# Altium PCB ascii of BOC1_06.PcbDoc (part 2 of 4)
Units mil, origin at the board's own origin, x right, y up, seen from the top; angles counter-clockwise.
Board outline 7900 x 6500 mil, 2 copper layers (Top Layer, Bottom Layer); 312 components, 413 nets, 1710 pads, 368 vias.
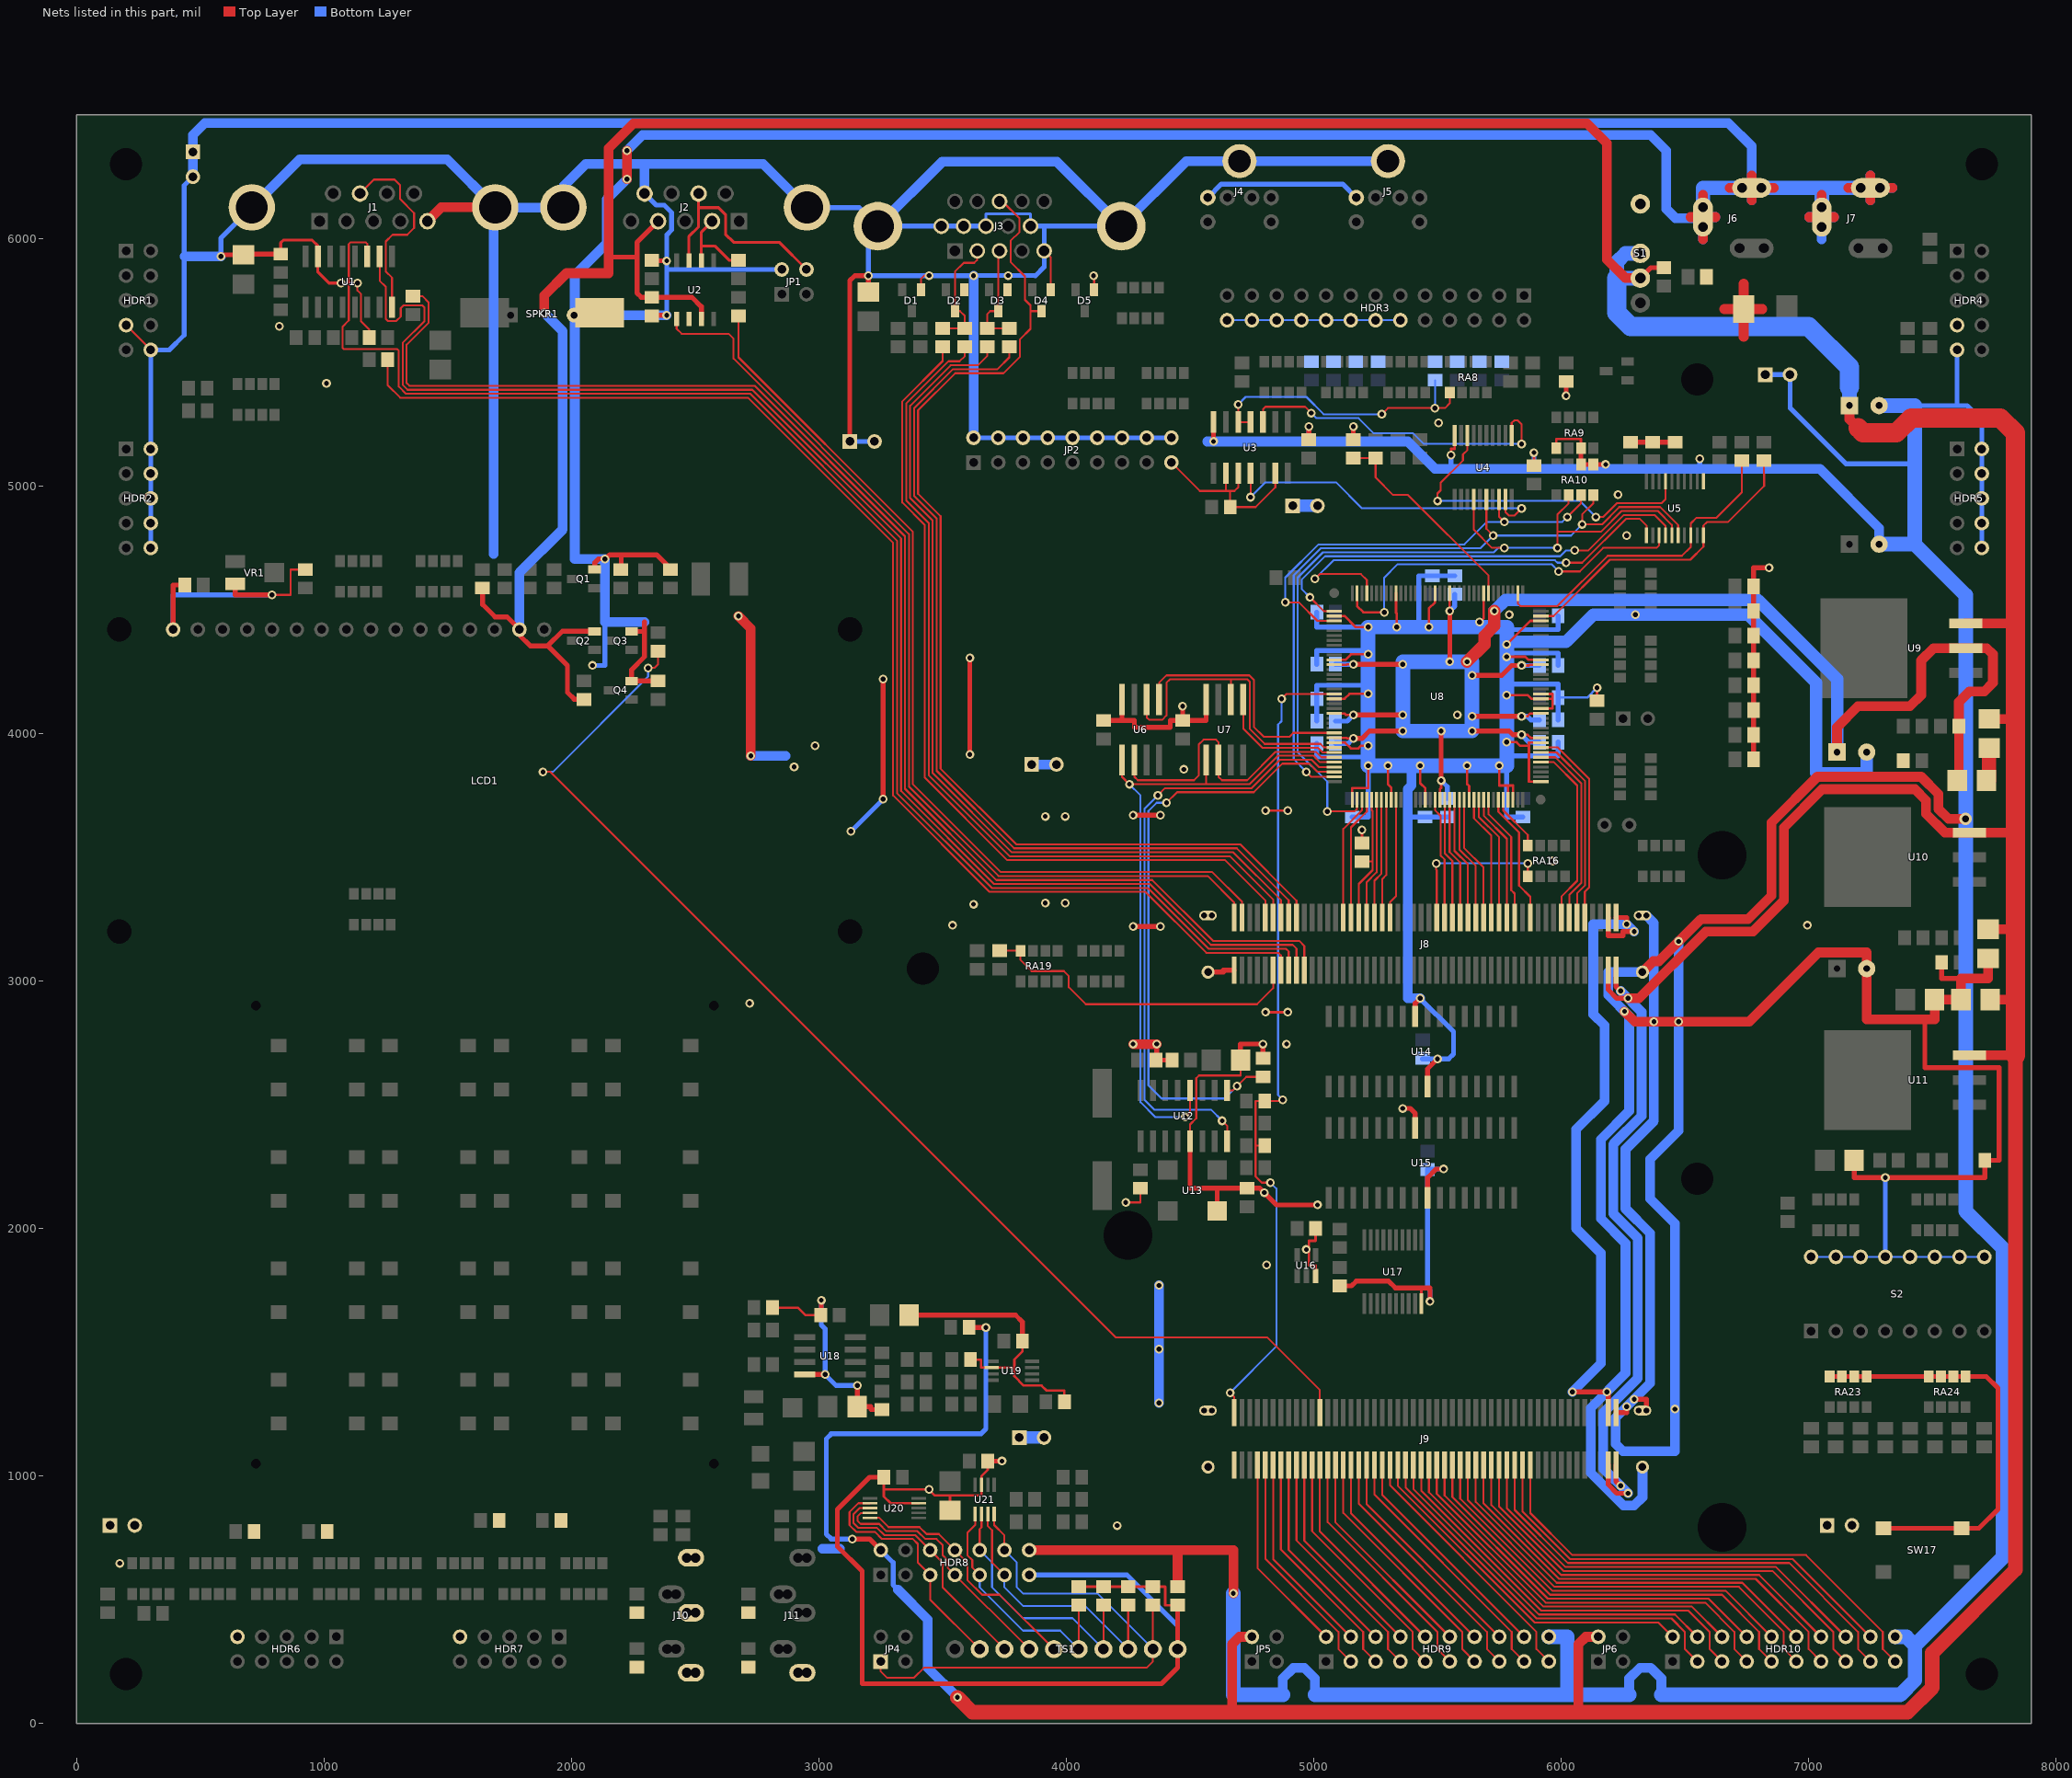
[diagram p2: the nets of this part, all layers, seen from the top]

## Footprints (in the part's own frame and the unit in brackets; to place one, negate y for a bottom-side part, rotate by r counter-clockwise, add the part's x,y. Pads: shape width x height; smd on the part's side, far side on the other; paste and mask are expansions set on the pad) (continued)
TQ144 [mm] "144-Pin Thin Quad Flat Pack (TQ144)"
  rect 1.6x0.3 smd: 1(-10.6,8.75) 2(-10.6,8.25) 3(-10.6,7.75) 4(-10.6,7.25) 5(-10.6,6.75) 6(-10.6,6.25) 7(-10.6,5.75) 8(-10.6,5.25) 9(-10.6,4.75) 10(-10.6,4.25) 11(-10.6,3.75) 12(-10.6,3.25) 13(-10.6,2.75) 14(-10.6,2.25) 15(-10.6,1.75) 16(-10.6,1.25) 17(-10.6,0.75) 18(-10.6,0.25) 19(-10.6,-0.25) 20(-10.6,-0.75) 21(-10.6,-1.25) 22(-10.6,-1.75) 23(-10.6,-2.25) 24(-10.6,-2.75) 25(-10.6,-3.25) 26(-10.6,-3.75) 27(-10.6,-4.25) 28(-10.6,-4.75) 29(-10.6,-5.25) 30(-10.6,-5.75) 31(-10.6,-6.25) 32(-10.6,-6.75) 33(-10.6,-7.25) 34(-10.6,-7.75) 35(-10.6,-8.25) 36(-10.6,-8.75) 73(10.6,-8.75) 74(10.6,-8.25) 75(10.6,-7.75) 76(10.6,-7.25) 77(10.6,-6.75) 78(10.6,-6.25) 79(10.6,-5.75) 80(10.6,-5.25) 81(10.6,-4.75) 82(10.6,-4.25) 83(10.6,-3.75) 84(10.6,-3.25) 85(10.6,-2.75) 86(10.6,-2.25) 87(10.6,-1.75) 88(10.6,-1.25) 89(10.6,-0.75) 90(10.6,-0.25) 91(10.6,0.25) 92(10.6,0.75) 93(10.6,1.25) 94(10.6,1.75) 95(10.6,2.25) 96(10.6,2.75) 97(10.6,3.25) 98(10.6,3.75) 99(10.6,4.25) 100(10.6,4.75) 101(10.6,5.25) 102(10.6,5.75) 103(10.6,6.25) 104(10.6,6.75) 105(10.6,7.25) 106(10.6,7.75) 107(10.6,8.25) 108(10.6,8.75)
  rect 0.3x1.6 smd: 37(-8.75,-10.6) 38(-8.25,-10.6) 39(-7.75,-10.6) 40(-7.25,-10.6) 41(-6.75,-10.6) 42(-6.25,-10.6) 43(-5.75,-10.6) 44(-5.25,-10.6) 45(-4.75,-10.6) 46(-4.25,-10.6) 47(-3.75,-10.6) 48(-3.25,-10.6) 49(-2.75,-10.6) 50(-2.25,-10.6) 51(-1.75,-10.6) 52(-1.25,-10.6) 53(-0.75,-10.6) 54(-0.25,-10.6) 55(0.25,-10.6) 56(0.75,-10.6) 57(1.25,-10.6) 58(1.75,-10.6) 59(2.25,-10.6) 60(2.75,-10.6) 61(3.25,-10.6) 62(3.75,-10.6) 63(4.25,-10.6) 64(4.75,-10.6) 65(5.25,-10.6) 66(5.75,-10.6) 67(6.25,-10.6) 68(6.75,-10.6) 69(7.25,-10.6) 70(7.75,-10.6) 71(8.25,-10.6) 72(8.75,-10.6) 109(8.75,10.6) 110(8.25,10.6) 111(7.75,10.6) 112(7.25,10.6) 113(6.75,10.6) 114(6.25,10.6) 115(5.75,10.6) 116(5.25,10.6) 117(4.75,10.6) 118(4.25,10.6) 119(3.75,10.6) 120(3.25,10.6) 121(2.75,10.6) 122(2.25,10.6) 123(1.75,10.6) 124(1.25,10.6) 125(0.75,10.6) 126(0.25,10.6) 127(-0.25,10.6) 128(-0.75,10.6) 129(-1.25,10.6) 130(-1.75,10.6) 131(-2.25,10.6) 132(-2.75,10.6) 133(-3.25,10.6) 134(-3.75,10.6) 135(-4.25,10.6) 136(-4.75,10.6) 137(-5.25,10.6) 138(-5.75,10.6) 139(-6.25,10.6) 140(-6.75,10.6) 141(-7.25,10.6) 142(-7.75,10.6) 143(-8.25,10.6) 144(-8.75,10.6)
  round 1 smd paste-0.55 mask+0: FID1(-10.6,-10.6) FID2(10.6,10.6)
  Top Layer keep-out circle w0.2: c10.6,10.6 r1.072
  Top Layer keep-out circle w0.2: c-10.6,-10.6 r1.072
  silkscreen extent -10.72,-9.4 9.4,9.57
TS2.54x10 [mm] "10 way 2.54mm Pitch screw terminal"
  round 1.85 hole 1.1: 1(0,0) 2(0,-2.54) 3(0,-5.08) 4(0,-7.62) 5(0,-10.16) 6(0,-12.7) 7(0,-15.24) 8(0,-17.78) 9(0,-20.32) 10(0,-22.86)
  silkscreen extent -3.35,-24.36 3.25,2.65
TSSO3x5-G8/X.35 [mm]
  rect 0.35x1.5 smd: 1(-0.975,-2.075) 2(-0.325,-2.075) 3(0.325,-2.075) 4(0.975,-2.075) 5(0.975,2.075) 6(0.325,2.075) 7(-0.325,2.075) 8(-0.975,2.075)
  silkscreen extent -1.82,-2.2 1.52,0.92
USOP10 [mm]
  rect 1.5x0.25 smd: 1(-2.5,1) 2(-2.5,0.5) 3(-2.5,0) 4(-2.5,-0.5) 5(-2.5,-1) 6(2.5,-1) 7(2.5,-0.5) 8(2.5,0) 9(2.5,0.5) 10(2.5,1)
  silkscreen extent -1.5,-1.4 1.5,1.4
VO20 [mm] "20-Lead TSOP (VO20)"
  rect 0.3x1.65 smd: 1(-2.925,-2.775) 2(-2.275,-2.775) 3(-1.625,-2.775) 4(-0.975,-2.775) 5(-0.325,-2.775) 6(0.325,-2.775) 7(0.975,-2.775) 8(1.625,-2.775) 9(2.275,-2.775) 10(2.925,-2.775) 11(2.925,2.775) 12(2.275,2.775) 13(1.625,2.775) 14(0.975,2.775) 15(0.325,2.775) 16(-0.325,2.775) 17(-0.975,2.775) 18(-1.625,2.775) 19(-2.275,2.775) 20(-2.925,2.775)
  silkscreen extent -3.75,-2.9 3.3,1.55

## Part data
C1 C5 C9 C15 C16 C21 C22 C23 C24 C25 C26 C27 C30 C35 C38 C39 C46 C48: library part CAP_POLAR, "Polar Capacitor"
C2 C3 C4 C6 C7 C8 C10 C11 C12 C13 C14 C17 C18 C19 C20 C28 C29 C31 C32 C33 C34 C36 C37 C40 C41 C42 C43 C44 C45 C47 C49 C50 C51 C52 C53 C54 C55 C56 C57 C58 C59 C60 C61 C62 C63 C64 C65 C66 C67 C68 C69 C70 C71 C72 C73 C74 C75 C76 C77 C78 C79 C80 C81 C82 C83 C84 C85 C86 C87 C88: library part CAP, "Capacitor"
CR1: "SMD Crystal 20MHz HY-Q"
D1 D2 D3 D4 D5: "Shottky Diode Pair"
D6: "Shottky Diode"
D7: library part BZG03C13, "Zener Diode, 6.2V, 5W"
GJ1 GJ2 GJ3 GJ4 GJ5 GJ6 GJ7 GJ8 JP3: "Header, 2-Pin"
HDR1 HDR2 HDR4 HDR5: "Header, 5-Pin, Dual row"
HDR3: library part "Header 13X2A", "Header, 13-Pin, Dual row"
HDR6 HDR7: library part "Header 5X2", "Header, 5-Pin, Dual row"
HDR8: "Header, 7-Pin, Dual row"
HDR9 HDR10: "Header, 10-Pin, Dual row"
J1: library part "D Connector 9", "Receptacle Assembly, 9 Position, Right Angle"
J2: "Receptacle Assembly, 9 Position, Right Angle"
J3: "Dsub-15 High density VGA Female connetor"
J4 J5: library part PS2-6PIN, "6 Pin Through Hole PS2 Socket (Kycon P/N)"
J6 J7: "Low Voltage Power Supply Connector"
J8 J9: "Board-to-Board, Docking Station, 0.80mm (.031\") Pitch, Shielded Plug, Vertical, Ultra Low Profile, SMT"
J10 J11: "3-Conductor Jack with 2 break contacts (normals) and 2 auxiliary make contacts"
JP1 JP4 JP5 JP6: "Header, 2-Pin, Dual row"
JP2: "Header, 9-Pin, Dual row"
L1: library part INDUCTOR, "Inductor e.g. Farnell 3876895"
LCD1: "16 char * 2 line LCD character display with b/light"
LED0 LED1 LED2 LED3 LED4 LED5 LED6 LED7 LED8 LED9 LED10 LED11 LED12 LED13 LED14 LED15 LED16: library part HSMX-C670, "Typical RED GaAs SMD LED Agilent make"
Q1 Q3 Q4: "N Channel Mosfet"
Q2: "P Channel Mosfet"
R1 R2 R3 R4 R5 R6 R7 R8 R9 R10 R11 R12 R13 R14 R15 R16 R17 R18 R19 R20 R21 R22 R23 R24 R25 R26 R27 R28 R29 R30 R31 R32 R33 R34 R35 R36 R37 R38 R39 R40 R41 R42 R43 R44 R45 R46 R47 R48 R49 R50 R51 R52 R53 R54 R55 R56 R57 R58 R59 R60 R61 R62 R63 R64 R65 R66 R67 R68 R69 R70 R71 R72 R73 R74 R75 R76 R77 R78 R79 R80: library part RES, "Resistor"
RA1 RA2 RA3 RA4 RA5 RA6 RA7 RA8 RA9 RA10 RA11 RA12 RA13 RA14 RA15 RA16 RA17 RA18 RA19 RA20 RA21 RA22 RA23 RA24 RA25 RA26 RA27 RA28 RA29 RA30 RA31 RA32: library part MNR34, "3216x4 Resistor Array"
S1: library part PCB_MOUNT_SWITCH, "SPDT Subminiature Toggle Switch"
S2: "DIP Switch Side actuator long liver Piano Key"
SPKR1: "Megastar Subminiature Transducer"
SW1 SW2 SW3 SW4 SW5 SW6 SW7 SW8 SW9 SW10 SW11 SW12 SW13 SW14 SW15 SW16 SW17: library part B3FS, "SPNA SMD Keyboard Switch"
TS1: "Screw Terminal Strip, 10 Way, 2.54 mm Pitch"
U1: library part MAX3232EUE, "3.0V TO 5.5V, Low-Power, up to 1Mbps, True RS-232 Transceiver Using Four 0.1µF External Capacitor"
U2: "High Speed Can Transceiver"
U3: library part MC74HC00AD, "Quad 2-Input NAND Gate"
U4: library part 74LVC244A, "Octal Buffer/Driver with 3-State Outputs"
U5: "XCF00S Series, Platform Flash In-System Programmable Configuration 3.3V PROM, 1-Megabit, Commercial Grade"
U6: library part M25P10-VMN6, "8 Mbit Flash Serial Prom"
U7: library part M25P20-VMN6, "8 Mbit Flash Serial Prom"
U8: "Spartan-IIE 1.8V FPGA, 144-Pin TQFP, Standard Performance, Commercial Grade"
U9 U10 U11: "5A Low Dropout Possitive Regulators"
U12: library part ICS307-02, "Serial Programmable PLL Oscillator"
U13: "Surface Mount Crystal Oscillator"
U14 U15: "128K x 8 bit Fast Static RAM"
U16: library part SN74AHC1G04DBVR
U17: library part 74LVC245A, "Octal Bus Transceiver with 3-State Outputs"
U19: "8 bit CODEC with 4 wire logic interface"
U20: library part MAX5841, "4 Channel DAC,I2C,2.7V to 5.5V"
U21: library part MAX1037, "4 Channel 8 Bit ADC, I2C interface, 2.7V to 3.6V Supply"
VR1 VR2: library part POT_M, "Potentiometer"

## Free pads (board coordinates)
  round 31.5 / inner round 31.5 / far side round 78.74 hole 39.37 unplated mask+0: KP1(725,2900) KP2(2575,2900) KP3(725,1050) KP4(2575,1050)
  round 98.43 hole 196.85 unplated mask+0: LP(4248.9,1972.83) LP(6650.47,791.73) LP(6650.47,3508.27)
  round 118.11 hole 129.92 unplated mask+0: M1(200,6300) M2(7700,6300) M3(200,200) M4(7700,200) M5(3420,3050) M6(6550,5430) M7(6550,2200)
  round 59.06 hole 31.5: TP(6175,3630) TP(6275,3630)

## Via types
v1: diameter 35.43, hole 19.68, Top Layer to Bottom Layer, 194 vias
v2: diameter 35.43, hole 19.68, Top Layer to Bottom Layer, tented both sides, 169 vias
v3: diameter 50, hole 27.56, Top Layer to Bottom Layer, 5 vias

## Nets (pads, with @x,y where several pads share a name; then routed paths per layer and width w, separated by ;. In a path a pad name is that pad's centre, name@x,y a point inside that pad or via, vN(x,y) a via of type N, cw(c..) or ccw(c..) an arc to the next point about the centre after c; other vN are vias at no path point)
1V8: C21.1 C23.1 C58.1 C62.1 C63.1 C66.1 C67.1 C68.1 C69.1 C71.1 R42.1 U8.19 U8.46 U8.51 U8.61 U8.88 U8.120 U8.130 U8.135 U9.2 | length 7663.7
  Top Layer w9.84: U8.135@5082.68,3982.68 5132.32,3982.68 5135,3980 v1(5160,3980) ; U8.130@5082.68,4081.1 5123.9,4081.1 5130,4075 v1(5160,4075) ; U8.120@5082.68,4277.95 5132.95,4277.95 5135,4280 v1(5160,4280) ; U8.19@5509.84,3732.68 5509.84,3774.84 5515,3780 v1(5515,3810) ; v1@5549.21,4495.79 U8.88@5549.21,4567.32 ; v1(5840,3995) 5865,3995 5877.32,3982.68 U8.46@5917.32,3982.68 ; v1(5840,4070) 5865,4070 5876.1,4081.1 U8.51@5917.32,4081.1 ; v1(5840,4275) 5870,4275 5872.95,4277.95 U8.61@5917.32,4277.95
  Top Layer w19.68: v1(5160,3980) 5195,3980 5225,4010 v1(5360,4010) ; v1(5160,4075) v1(5360,4075) ; v1(5160,4280) v1(5360,4280) ; v1(5515,3810) v1(5515,4010) ; v1(5550,4290) v1(5550,4495) ; v1(5640,4010) 5790,4010 5805,3995 v1(5840,3995) ; v1(5640,4070) v1(5840,4070) ; v1(5640,4235) 5760,4235 5800,4275 v1(5840,4275)
  Top Layer w35.43: C23.1@7600.95,3810 7607.4,3816.46 R42.1@7607.4,4030
  Top Layer w39.37: C21.1@7115,3925 7115,4025 7200,4110 7410,4110 7455,4155 7455,4295 7505,4345 7720,4345 7745,4320 7745,4205 7710,4170 7650,4170 7607.4,4127.4 R42.1@7607.4,4030
  Top Layer w50: v1(5620,4290) 5690,4360 5690,4395 5730,4435 v1(5730,4495)
  Bottom Layer w19.68: C69.1@5087.4,3960 5140,3960 v1(5160,3980) ; C67.1@5087.4,4050 5135,4050 v1(5160,4075) ; C63.1@5087.4,4280 v1(5160,4280) ; v1(5515,3810) 5540,3785 C71.1@5540,3737.4 ; v1(5550,4495) 5570,4515 C58.1@5570,4562.6 ; v1(5840,3995) 5870,3965 C68.1@5912.6,3965 ; v1(5840,4070) 5862,4070 5877,4055 C66.1@5912.6,4055 ; v1(5840,4275) C62.1@5912.6,4275
  Bottom Layer w50: v1(5730,4495) 5775,4540 6795,4540 7115,4220 C21.1@7115,3925
  Bottom Layer w59.06: v1(5360,4010) 5360,4290 5640,4290 v1(5640,4010) v1(5360,4010)
5V: C4.1 C15.1 C22.1 C26.1 C27.1 HDR8.2 J2.4 J8.97 J8.99 J9.97 J9.99 JP5.2 JP6.2 LCD1.15 Q2.2 R5.1 R30.1 R38.1 R61.1 S1.1 S1.2 U2.3 U9.3 U10.3 U11.3 | length 29328.4
  Top Layer w19.68: R30.1@1641.48,4583.6 1641.48,4521.1 1691.57,4471 1740.43,4471 LCD1.15@1790.57,4420.86 ; LCD1.15@1791.54,4418.46 1791.54,4396.04 1833.57,4354 1904.57,4354 ; R38.1@2051.47,4138.6 2010.98,4138.6 1983.57,4166 1983.57,4275 1904.57,4354 ; Q2.2@2094.88,4413.4 1963.98,4413.4 1904.57,4354 ; 2150,5925 2265,5925 ; J2.4@2350.24,6070.08 2265,5984.84 2265,5780 2282.6,5762.4 2487.6,5762.4 2525,5725 U2.3@2525,5675 ; v1(3135,745) 3205,745 HDR8.2@3250,700 ; R61.1@3607.4,1600 v1(3675,1600) ; J9.97@6190.16,1043.7 6190.16,964.84 6225,930 v1(6270,930) ; J8.97@6190.16,3043.7 6190.16,2964.84 6225,2930 v1(6270,2930) ; J9.99@6221.65,1043.7 6221.65,978.35 v1(6240,960) ; J8.99@6221.65,3043.7 6221.65,2978.35 v1(6240,2960) ; S1.2@6320,5840 6362.4,5882.4 R5.1@6415,5882.4
  Top Layer w39.37: v2(1890,5700) 1890,5770 1980,5860 2150,5860 2150,6365 2250,6465 6105,6465 6185,6385 6185,5915 6260,5840 S1.2@6320,5840 ; 4670,45 4670,320 4700,350 JP5.2@4750,350 ; 6070,45 6070,320 6100,350 JP6.2@6150,350 ; v1(6270,2930) 6315,2930 6585,3200 6775,3200 6900,3325 6900,3620 7055,3775 7430,3775 7475,3730 7475,3675 7550,3600 7836,3600 ; C15.1@7165,5325 7165,5270 7200,5235 ; U9.3@7635,4445 7836,4445 ; U11.3@7650,2700 7836,2700 ; C27.1@7725,3209.05 7836,3209.05 ; C22.1@7730,4059.05 7836,4059.05 ; C26.1@7734.05,2925 7836,2925
  Top Layer w59.06: v1(3560,105) 3620,45 7400,45 7500,145 7500,285 7836,621 7836,2700
  Top Layer w78.74: 7200,5235 7220,5215 7355,5215 7415,5275 7775,5275 7836,5214 7836,2700
  Bottom Layer w19.68: v1(3135,745) 3050,745 3030,765 3030,1150 3050,1170 3655,1170 3675,1190 v1(3675,1600) ; HDR8.2@3250,700 3300,650 3300,560 3320,540
  Bottom Layer w39.37: LCD1.15@1790,4420 1790,4650 1965,4825 1965,5625 v2(1890,5700) ; 3320,540 3440,420 3440,225 v1(3560,105) ; v1(6240,2960) 6325,2875 6325,2455 6210,2340 6210,2060 6310,1960 6310,1395 6170,1255 6170,1030 v1(6270,930)
  Bottom Layer w59.06: S1.2@6320,5840 6225,5840 6225,5905 6260,5940 S1.1@6320,5940 ; C15.1@7165,5325 7165,5400
  Bottom Layer w78.74: 6225,5840 6225,5700 6280,5645 7000,5645 7165,5480 7165,5400
AGND: C36.2 C37.1 C38.2 C39.2 C41.2 C42.2 C44.2 C47.2 C48.2 C49.2 C50.2 C51.2 C52.2 C53.2 C54.2 C55.2 C56.2 C57.2 HDR8.13 J10.1 J10.1A J10.1B J10.3 J10.3A J10.3B J10.5 J10.5A J10.5B J11.1 J11.1A J11.1B R65.1 R80.2 TS1.10 U18.4 U19.2 U20.4 U21.7 | length 6959.1
  Top Layer w9.84: C36.2@2812.4,1680 2915,1680 2945,1650 C37.1@3010,1650 ; 3262.6,945 v1(3445,945) 3469,921 3657.2,921 3657.2,999.2 3682.4,1024.4 C49.2@3682.4,1060 ; C47.2@3262.6,995 3262.6,917.4 3290.32,889.68 U20.4@3403.43,889.68 ; C48.2@3530,860.94 3530,921 ; C41.2@3612.4,1470 3655,1470 3655,1437.8 3790,1437.8 ; C42.2@3822.4,1545 3822.4,1502.4 3790,1470 3790,1403 3828,1365 3900,1365 3920,1345 3992.4,1345 C44.2@3992.4,1300 ; C54.2@4050,552.4 4400,552.4 4400,477.6 R80.2@4450,477.6
  Top Layer w19.68: U18.4@2942.64,1410 v1(3025,1410) ; C37.1@3010,1650 v1(3010,1710) ; v1(3155,1365) 3155,1280 3210,1280 3210,1267.6 R65.1@3255,1267.6 ; C47.2@3260.78,995 C47.2@3262.6,995 3205,995 3075,865 3075,715 3175,615 3175,160 4385,160 4450,225 R80.2@4450,477.6 ; C38.2@3364.06,1650 3795,1650 3822.4,1622.6 C42.2@3822.4,1545 ; C49.2@3682.4,1060 v1(3740,1060)
  Bottom Layer w19.68: v1(3010,1710) 3010,1610 3025,1595 v1(3025,1410) 3070,1365 v1(3155,1365) ; HDR8.13@3850,600 4245,600 4450,395 TS1.10@4450,300
  Bottom Layer w39.37: 3015,705 3085,705
AIN0: C54.1 HDR8.9 TS1.6 U21.1 | length 1010.9
  Top Layer w7.87: U21.1@3631.61,845.94 3631.61,801.61 3600,770 3600,680 3620,660 3620,630 HDR8.9@3650,600 ; TS1.6@4050,300 C54.1@4050,477.6
  Bottom Layer w7.87: HDR8.9@3650,600 3650,550 3825,375 3975,375 TS1.6@4050,300
AIN1: C55.1 HDR8.10 TS1.7 U21.2 | length 1050.8
  Top Layer w7.87: HDR8.10@3650,700 3650,785 3657.2,792.2 U21.2@3657.2,845.94 ; TS1.7@4150,300 C55.1@4150,477.6
  Bottom Layer w7.87: HDR8.10@3650,700 3700,650 3700,550 3825,425 4025,425 TS1.7@4150,300
AIN2: C56.1 HDR8.11 TS1.8 U21.3 | length 1104.9
  Top Layer w7.87: U21.3@3682.8,845.94 3682.8,797.2 3700,780 3700,650 HDR8.11@3750,600 ; TS1.8@4250,300 C56.1@4250,477.6
  Bottom Layer w7.87: HDR8.11@3750,600 3750,550 3825,475 4075,475 TS1.8@4250,300
AIN3: C57.1 HDR8.12 JP4.1 TS1.9 U21.4 | length 2392.3
  Top Layer w7.87: JP4.1@3250,250 3250,210 3275,185 3385,185 3425,225 4325,225 4350,250 C57.1@4350,477.6 ; U21.4@3708.39,845.94 3708.39,801.61 3750,760 HDR8.12@3750,700
  Bottom Layer w7.87: HDR8.12@3750,700 3800,650 3800,550 3825,525 4125,525 TS1.9@4350,300
AOUT0: HDR8.5 TS1.2 U20.7 | length 986.4
  Top Layer w7.87: U20.7@3206.57,889.68 3159.68,889.68 3124,854 3124,801 3151,774 3226,774 3255,745 3380,745 3400,725 3400,650 HDR8.5@3450,600 3450,500 TS1.2@3650,300
AOUT1: HDR8.6 TS1.3 U20.8 | length 991.8
  Top Layer w7.87: U20.8@3206.57,870 3165,870 3140,845 3140,810 3160,790 3235,790 3264,761 3389,761 3500,650 3500,550 TS1.3@3750,300
AOUT2: HDR8.7 TS1.4 U20.9 | length 1023.5
  Top Layer w7.87: U20.9@3206.57,850.31 3170.31,850.31 3156,836 3156,819 3169,806 3244,806 3273,777 3398,777 3430,745 3475,745 3500,720 3500,680 3520,660 3520,630 TS1.4@3850,300
AOUT3: HDR8.8 TS1.5 U20.10 | length 1004.2
  Top Layer w7.87: U20.10@3206.57,830.63 3244.37,830.63 3282,793 3407,793 3435,765 3485,765 3600,650 3600,580 3660,520 3730,520 TS1.5@3950,300
AUDIO_SPI_CSN: J8.11 R46.1 RA19.8 | length 1343.1
  Top Layer w7.87: R46.1@3730,3122 RA19.8@3815,3122 3815,3085 3860,3040 3990,3040 4010,3020 4010,2975 4079,2906 4771,2906 4835.83,2970.83 J8.11@4835.83,3043.7
BLUE0: J8.14 R14.1 | length 3644.5
  Top Layer w7.87: R14.1@3680,5562.6 3680,5525 3643,5488 3533,5488 3369,5324 3369,4951 3460,4860 3460,3840 3780,3520 4675,3520 4867.32,3327.68 J8.14@4867.32,3256.3
BLUE1: J8.16 R15.1 | length 3725.5
  Top Layer w7.87: R15.1@3770,5562.6 3770,5520 3722,5472 3542,5472 3385,5315 3385,4960 3476,4869 3476,3849 3789,3536 4689,3536 4898.82,3326.18 J8.16@4898.82,3256.3
BLUE#: D3.3 J3.3 R14.2 R15.2 | length 442.4
  Top Layer w7.87: R14.2@3679.9,5637.4 R15.2@3769.9,5637.4 ; R14.2@3680,5637.4 3679.9,5693.9 3692.69,5706.69 D3.3@3725,5706.69 3725,5944.68 J3.3@3730.32,5950
BOC_CTS: J8.13 R9.1 | length 5324.1
  Top Layer w7.87: R9.1@1257.4,5510 1257.4,5407.6 1308,5357 2713,5357 3300,4770 3300,3750 3690,3360 4320,3360 4566,3114 4857,3114 4867.32,3103.68 J8.13@4867.32,3043.7
BOC_EN: U3.11 U4.19 | length 1394.9
  Top Layer w7.87: v2(4745,4955) U3.11@4745,5051.65 ; U4.19@5774.57,4946.06 5774.57,4895.43 5790,4880 5810,4880 v2(5840,4910)
  Bottom Layer w7.87: v2(4745,4955) 4805,5015 5090,5015 5195,4910 v2(5840,4910)
BOC_RTS: J8.17 U1.10 | length 6060.7
  Top Layer w7.87: U1.10@1225,5927.36 1225,5830 1250,5805 1250,5675 1258,5667 1292,5667 1310,5685 1310,5719 1321,5730 1397,5730 1406,5721 1406,5666 1318,5578 1318,5409 1338,5389 2731,5389 3332,4788 3332,3768 3708,3392 4338,3392 4584,3146 4915,3146 4930.31,3130.69 J8.17@4930.31,3043.7
BOC_RX: J8.19 R1.1 | length 5700.6
  Top Layer w7.87: R1.1@1360,5767.4 1397.6,5767.4 1422,5743 1422,5659 1334,5571 1334,5416 1345,5405 2740,5405 3348,4797 3348,3777 3717,3408 4347,3408 4593,3162 4941,3162 4961.81,3141.19 J8.19@4961.81,3043.7
BOC_TX: J8.15 U1.11 | length 6152.7
  Top Layer w7.87: U1.11@1175,5927.36 1175,5978 1169,5984 1106.27,5984 1100,5977.73 1100,5669 1075,5644 1075,5558 1080,5553 1296,5553 1302.25,5546.75 1302.25,5401.75 1331,5373 2722,5373 3316,4779 3316,3759 3699,3376 4329,3376 4575,3130 4888,3130 4898.82,3119.18 J8.15@4898.82,3043.7
BOOT_EN: U3.3 U4.1 | length 1344.3
  Top Layer w7.87: U3.3@4795,5258.35 4795,5310 4805,5320 4965,5320 v2(4990,5295) ; U4.1@5800.16,5203.94 5800.16,5255.16 5810,5265 5825,5265 5840,5250 v2(5840,5170)
  Bottom Layer w7.87: v2(4990,5295) 5011,5274 5181,5274 5242,5213 5402,5213 5445,5170 v2(5840,5170)
BOOT_JTAG_EN: JP2.17 R28.1 U3.9 U3.10 U3.13 | length 789.5
  Top Layer w7.87: JP2.17@4425,5095 4540,4980 4680,4980 4695,4995 U3.10@4695,5051.65 ; 4645,4980 U3.9@4645,5051.65 ; 4662.4,4980 R28.1@4662.4,4915 4765,4915 4845,4995 U3.13@4845,5051.65
BOOT_TCK: RA10.4 U4.16 U5.6 U8.143 | length 2969.7
  Top Layer w7.87: v1(4970,3845) 4989.8,3825.2 U8.143@5082.68,3825.2 ; U4.16@5697.8,4946.06 5697.8,4827.2 v2(5725,4800) ; RA10.4@6130,4963 6130,4930 6085,4885 v2(6085,4845) 6165,4845 6235,4915 6400,4915 6472.8,4842.2 U5.6@6472.8,4800.75
  Bottom Layer w7.87: v1(4970,3845) 4919,3896 4919,4639 5028,4748 5673,4748 v2(5725,4800) 6040,4800 v2(6085,4845)
BOOT_TDI: RA10.3 U4.18 U8.111 | length 1780.7
  Top Layer w7.87: v1(4885,4530) 4940,4530 5014.88,4455.12 U8.111@5082.68,4455.12 ; U4.18@5748.98,4946.06 5748.98,4876.02 v2(5770,4855) ; v2(6025,4875) 6080,4930 RA10.3@6080,4963
  Bottom Layer w7.87: v1(4885,4530) 4885,4630 5019,4764 5609,4764 5700,4855 6005,4855 v2(6025,4875)
BOOT_TDO: U4.8 U5.17 | length 1364.9
  Top Layer w7.87: v2(5500,4940) 5500,4970 5513,4983 5513,5013 5603,5103 5603,5128 5621.02,5146.02 U4.8@5621.02,5203.94 ; v2(6140,4875) 6170,4875 6226,4931 6406,4931 6421.61,4946.61 U5.17@6421.61,5019.25
  Bottom Layer w7.87: v2(5500,4940) 6075,4940 v2(6140,4875)
BOOT_TDO-TDI: U5.4 U8.109 | length 1841